# Altium PCB PLD.PcbDoc (part 4 of 5) (continued)
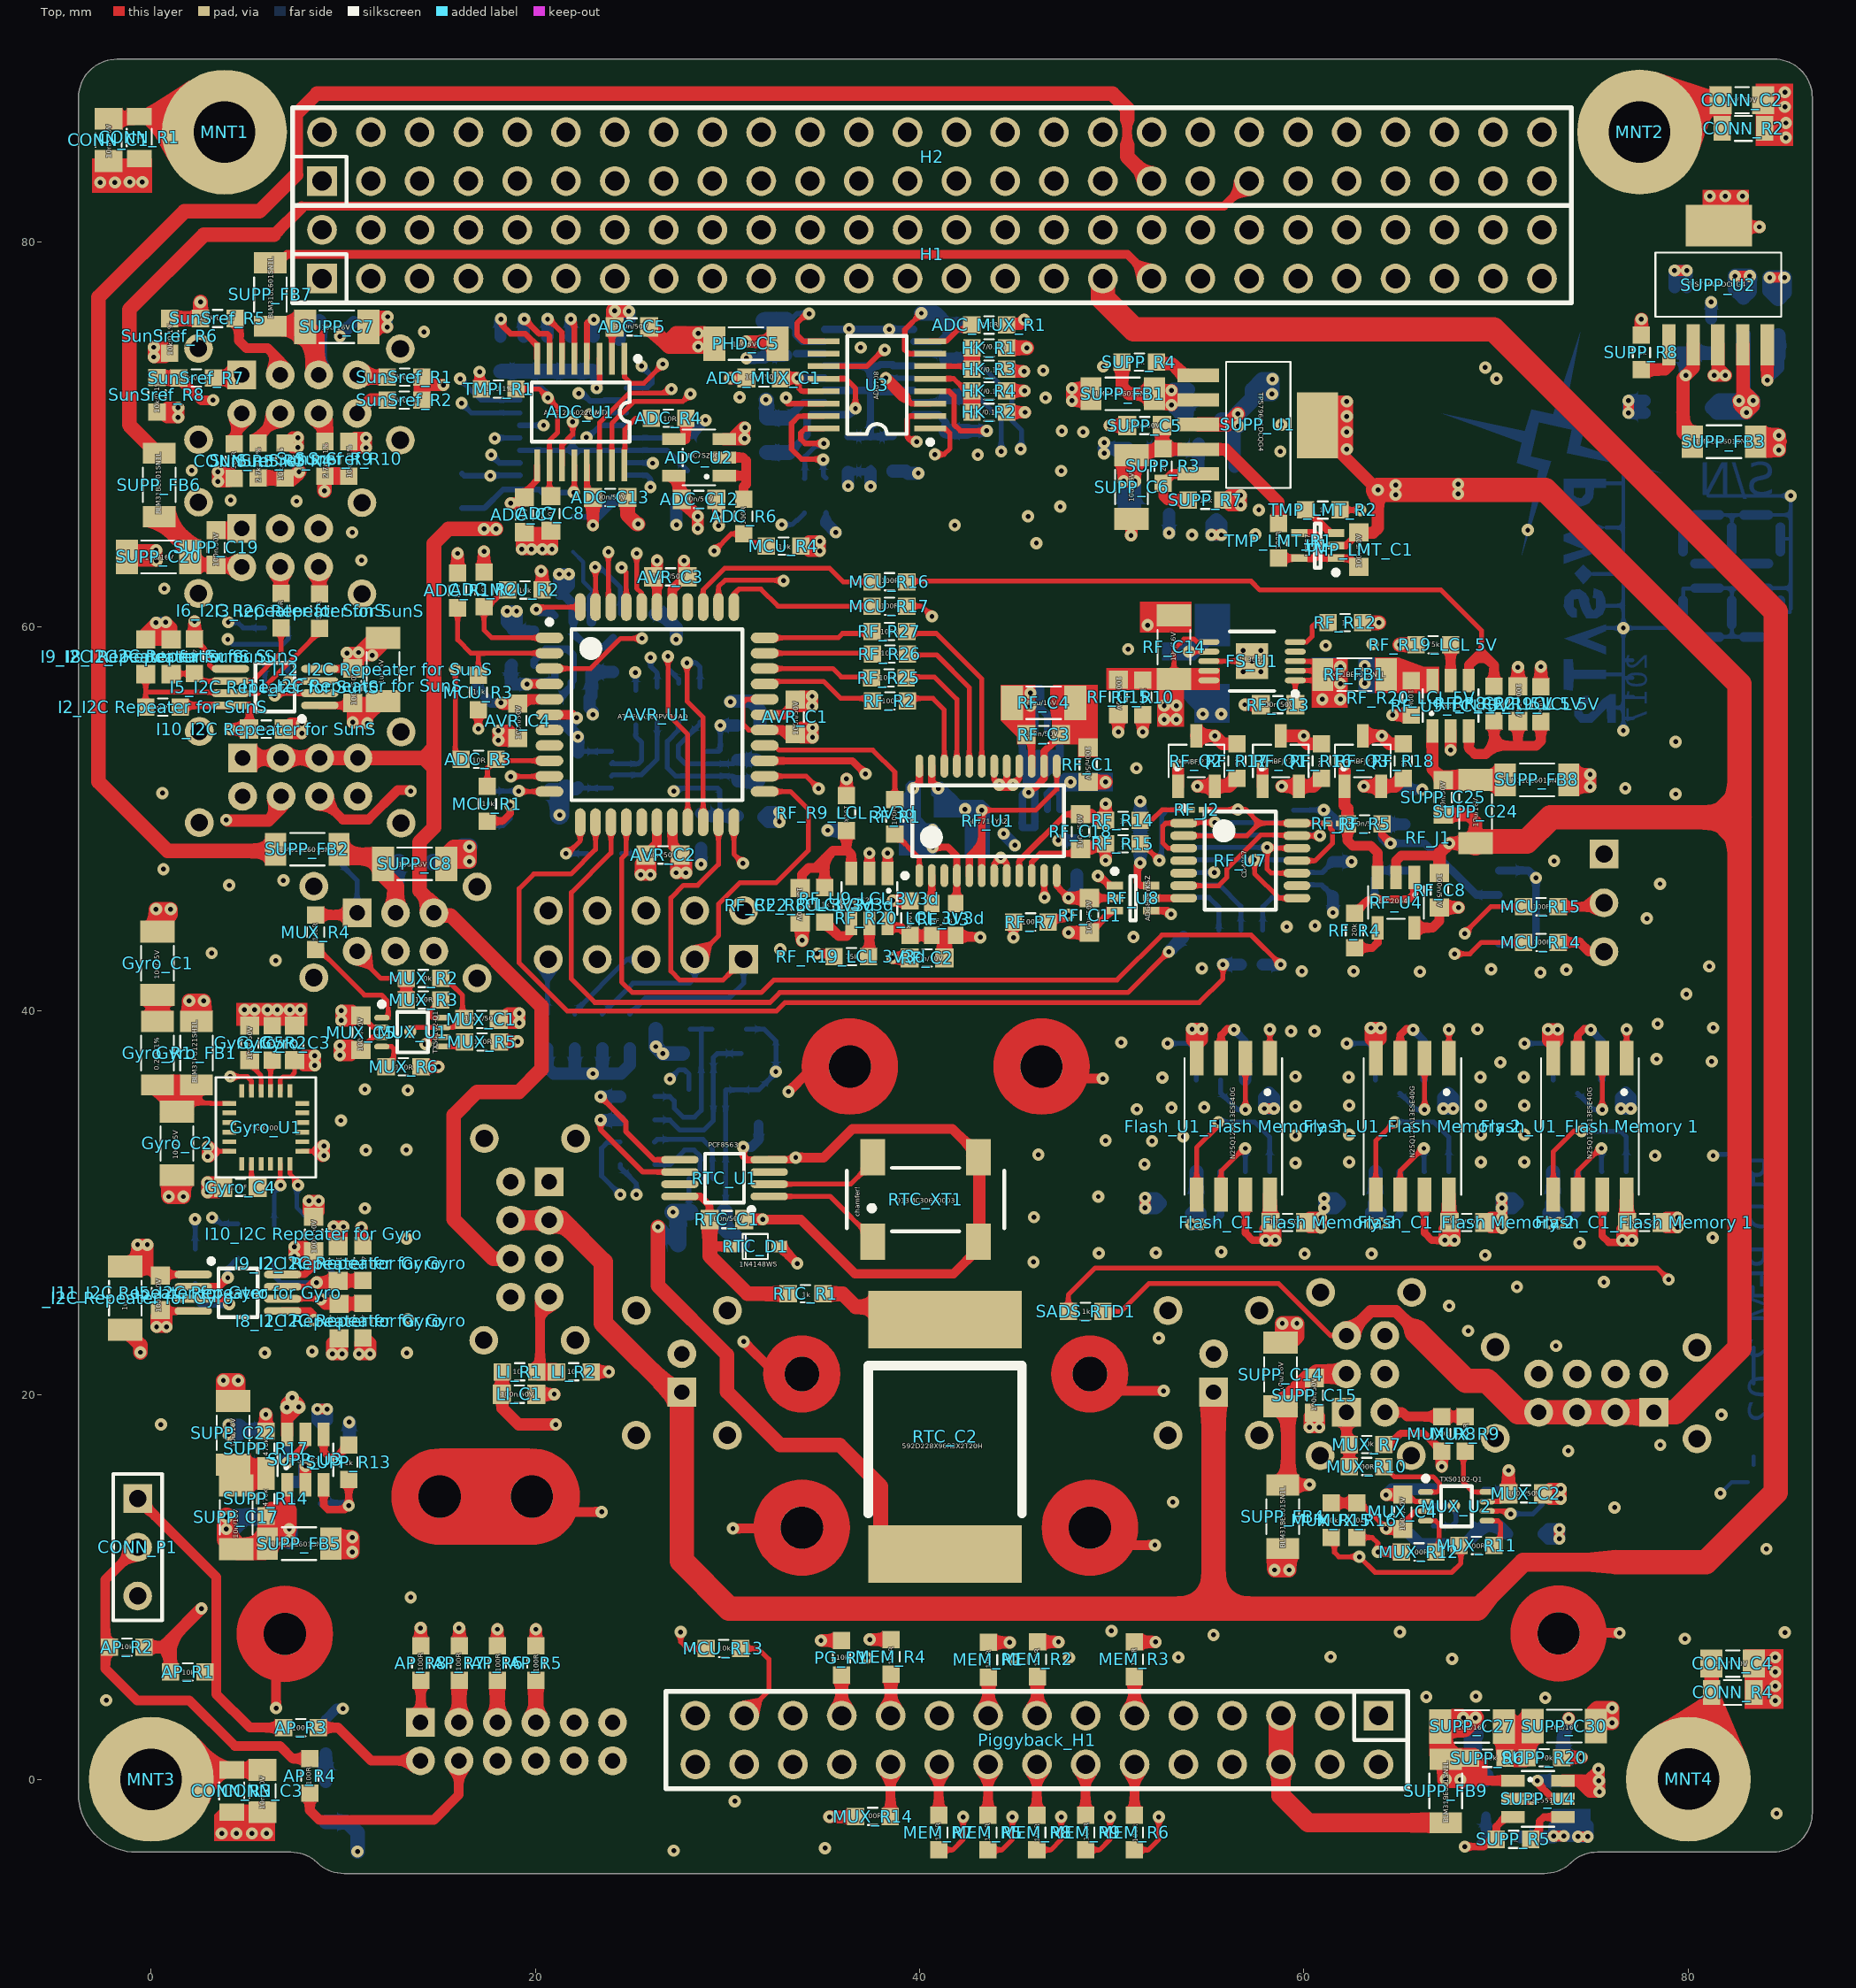
[diagram p0: Top view]
## Nets (pads, with @x,y where several pads share a name; then routed paths per layer and width w, separated by ;. In a path a pad name is that pad's centre, name@x,y a point inside that pad or via, vN(x,y) a via of type N, cw(c..) or ccw(c..) an arc to the next point about the centre after c; other vN are vias at no path point) (continued)
  Bottom w0.5: SUPP_C32.2@69.479,-2.997 SUPP_R1.2@69.479,-1.93
NetSUPP_R3_2: SUPP_R3.2 SUPP_R7.1 SUPP_U1.5 | length 4.1
  Top w0.508: SUPP_R7.1@53.985,66.574 52.879,66.574 52.676,66.777 SUPP_R3.2@52.676,67.452 53.17,67.946 SUPP_U1.5@54.501,67.946
NetSUPP_R4_2: SUPP_R4.2 SUPP_U1.1 | length 2.4
  Top w0.66: SUPP_R4.2@52.331,73.686 53.133,73.686 53.747,73.071 SUPP_U1.1@54.501,73.071
NetSUPP_R5_1: SUPP_R5.1 SUPP_U4.4 | length 2.4
  Top w0.381: SUPP_R5.1@71.813,-3.124 72.259,-2.677 72.259,-2.184 72.477,-1.965 SUPP_U4.4@73.493,-1.965
NetSUPP_R8_2: SUPP_R8.2 SUPP_U2.1 | length 2.6
  Top w0.635: SUPP_R8.2@77.568,73.37 77.579,73.381 78.787,73.381 78.995,73.589 SUPP_U2.1@78.995,74.668
NetSUPP_R10_2: SUPP_R10.2 SUPP_R11.1 SUPP_U2.5 | length 5.5
  Top w0.635: v1(84.121,72.822) SUPP_U2.5@84.12,74.668
  Bottom w0.635: v1(84.121,72.822) 84.121,72.924 84.68,73.483 SUPP_R11.1@84.68,75.148
  Bottom w0.762: SUPP_R11.1@84.68,75.148 84.691,75.137 SUPP_R10.2@84.691,74.067
NetSUPP_R13_1: SUPP_R13.1 SUPP_U3.4 | length 2.6
  Top w0.381: SUPP_U3.4@8.975,17.947 8.975,17.057 9.267,16.765 9.637,16.765 SUPP_R13.1@10.283,17.411
NetSUPP_R16_1: SUPP_R16.1 SUPP_U3.5 | length 2.7
  Top w0.381: v1(7.085,16.485) 7.089,16.485 8.025,17.421 SUPP_U3.5@8.025,17.947
  Bottom w0.508: v1(7.085,16.485) SUPP_R16.1@7.085,17.283
NetSUPP_R19_1: SUPP_R19.1 SUPP_U4.5 | length 3.1
  Top w0.381: v1(72.157,-0.076) 72.035,-0.076 72.03,-0.08 72.966,-1.015 SUPP_U4.5@73.493,-1.015
  Bottom w0.381: SUPP_R19.1@73.286,-0.076 SUPP_R19.1@73.3,-0.09
  Bottom w0.635: v1(72.157,-0.076) SUPP_R19.1@73.286,-0.076
NetTMP_LMT_C1_1: TMP_LMT_C1.1 TMP_LMT_R1.1 U1.1 U1.4 U1.5 | length 6.5
  Top w0.381: TMP_LMT_R1.1@58.67,63.566 58.674,63.562 U1.5@59.763,63.562 59.773,63.551 60.575,63.551 60.753,63.729 ; U1.4@59.763,64.862 60.535,64.862 60.753,64.644 60.753,63.729 ; TMP_LMT_C1.1@62.861,63.109 62.408,63.562 U1.1@61.663,63.562 60.92,63.562 60.753,63.729
NetTMP_LMT_R2_1: TMP_LMT_R2.1 U1.3 | length 2.1
  Top w0.381: TMP_LMT_R2.1@60.081,66.066 60.169,66.066 61.373,64.862 U1.3@61.663,64.862
OBC_BUS_3V3: "Flash_C1_Flash Memory 1.2" "Flash_C1_Flash Memory 2.2" "Flash_C1_Flash Memory 3.2" "Flash_U1_Flash Memory 1.3" "Flash_U1_Flash Memory 1.7" "Flash_U1_Flash Memory 1.8" "Flash_U1_Flash Memory 2.3" "Flash_U1_Flash Memory 2.7" "Flash_U1_Flash Memory 2.8" "Flash_U1_Flash Memory 3.3" "Flash_U1_Flash Memory 3.7" "Flash_U1_Flash Memory 3.8" "FRAM_C1_FRAM Memory 1.2" "FRAM_C1_FRAM Memory 2.2" "FRAM_C1_FRAM Memory 3.2" "I1_I2C Repeater for RTC.1" "I2_I2C Repeater for RTC.1" "I5_I2C Repeater for RTC.1" "I5_I2C Repeater for RTC.5" "I5_I2C Repeater for RTC.8" "I10_I2C Repeater for RTC.2" "I11_I2C Repeater for RTC.2" "I12_I2C Repeater for RTC.2" "U4_FRAM Memory 1.3" "U4_FRAM Memory 1.7" "U4_FRAM Memory 1.8" "U4_FRAM Memory 2.3" "U4_FRAM Memory 2.7" "U4_FRAM Memory 2.8" "U4_FRAM Memory 3.3" "U4_FRAM Memory 3.7" "U4_FRAM Memory 3.8" AP_R1.2 AP_R2.2 HK_R2.1 LI_R2.1 RTC_D1.A SUPP_C26.2 SUPP_U4.6 | length 191.6
  Top w0.381: 55.688,37.54 55.688,38.744 56.007,39.064 v1@56.312,39.064 ; 56.958,30.428 56.958,28.435 57.337,28.057 v1(58.005,28.057) ; 65.009,37.54 65.009,38.744 65.329,39.064 65.634,39.064 v1(65.684,39.013) ; 66.279,30.428 66.279,28.435 66.658,28.057 v1(67.327,28.057) ; 74.255,37.54 74.255,38.744 74.574,39.064 v1@74.879,39.064 ; 75.525,30.428 75.525,28.283 75.855,27.953 v1@76.824,27.953
  Top w0.508: RTC_D1.A@32.691,27.737 32.737,27.737 v1(33.626,26.848)
  Top w0.635: AP_R2.2@-0.374,6.884 0.606,6.884 ; AP_R1.2@1.001,5.589 1.001,6.489 ; v1(2.612,8.891) 1.001,7.279 ; LI_R2.1@22.892,21.21 v1(23.821,21.21) ; HK_R2.1@44.517,71.153 v1(45.481,71.153) ; SUPP_U4.6@73.493,-0.065 74.306,-0.065 ; v1@75.332,-0.015 75.332,0.458 74.809,-0.065 ; 0.606,6.884 1.001,6.489 ; 0.606,6.884 1.001,7.279 ; 1.001,6.489 1.001,7.279 ; 74.306,-0.065 74.809,-0.065 ; 74.306,-0.065 74.885,-0.645 v1(75.383,-0.645) 75.358,-0.619 v1(75.358,-0.065) 74.809,-0.065 ; v1(58.005,28.057) 58.509,28.057 58.509,28.628 58.257,28.88 58.005,28.628 v1(58.005,28.057) ; v1(67.327,28.057) 67.83,28.057 67.83,28.628 67.578,28.88 67.327,28.628 v1(67.327,28.057) ; v1(76.572,28.057) 77.076,28.057 77.076,28.628 76.824,28.88 76.572,28.628 v1(76.572,28.057)
  Top w0.711: 58.228,29.009 58.228,30.428 ; 67.549,30.428 67.549,29.009 67.578,28.98 ; 76.795,30.428 76.795,29.009 76.824,28.98
  Power w0.254: v1(73.66,42.139) 73.66,40.283 v1(74.93,39.013)
  Power w0.635: v1(23.821,21.21) 26.006,21.21
  Power w1.651: v1@75.383,-0.431 75.383,0.051 77.999,2.668 77.999,6.948
  Signal Layer 1 w0.254: v1(2.612,8.891) 2.612,18.619 4.099,20.106 4.785,20.106 5.483,20.803 23.415,20.803 v1(23.821,21.21) ; v1(45.481,71.153) 46.42,71.153 46.723,70.851 49.356,70.851 49.613,71.108 52.611,71.108 55.316,68.403 64.791,68.403 74.062,59.132 74.062,43.358 73.66,42.956 v1(73.66,42.139)
  Bottom w0.254: v1(26.996,36.45) 27.479,36.932 27.758,36.932 27.993,36.698 27.993,35.912 ; 29.845,29.523 29.898,29.576 29.898,31.262 29.898,35.856 29.926,35.884 31.623,35.884 32.512,36.773 v1(32.512,36.83) 32.512,37.778 32.512,38.426 31.891,39.048 30.988,39.048
  Bottom w0.381: v1@54.356,29.005 54.629,29.005 55.296,29.005 55.673,29.382 55.673,31.624 ; v1(56.363,39.013) 56.936,38.439 56.936,36.409 ; v1@63.678,29.003 63.998,29.003 64.565,29.003 64.995,29.434 64.995,31.621 ; v1(65.684,39.013) 66.258,38.439 66.258,36.409 66.265,36.401 ; v1@72.923,29.005 73.244,29.005 73.787,29.005 74.24,29.459 74.24,31.624 ; v1(74.93,39.013) 75.504,38.439 75.504,36.409
  Bottom w0.635: 54.356,31.577 54.403,31.624 ; 56.943,36.404 56.943,37.972 ; SUPP_C26.2@74.545,-0.115 74.61,-0.05 74.625,-0.065 v1(75.358,-0.065) ; v1(54.126,28.895) 54.629,28.895 54.629,29.005 54.629,29.467 54.377,29.719 54.126,29.467 v1(54.126,28.895) ; v1(63.495,28.94) 63.998,28.94 63.998,29.003 63.998,29.511 63.747,29.763 63.678,29.695 63.495,29.511 v1(63.495,28.94) ; v1(72.74,28.942) 73.244,28.942 73.244,29.005 73.244,29.514 72.992,29.765 72.923,29.697 72.74,29.514 v1(72.74,28.942)
  Bottom w0.737: 54.403,30.032 54.403,31.624 ; v1@63.678,29.003 63.678,29.695 63.678,29.983 ; 63.725,30.03 63.725,31.621 ; v1@72.923,29.005 72.923,29.697 72.923,29.985 ; 72.97,30.032 72.97,31.624
  Bottom w0.889: 29.845,29.523 29.845,28.749 30.722,27.872
  other v1: 75.332,0.534 58.512,28.061 67.834,28.057 77.084,28.057 54.631,28.895 64.004,28.94 73.264,28.942
OBC_PLD_3V3: "I1_I2C Repeater for Gyro.1" "I2_I2C Repeater for Gyro.1" "I5_I2C Repeater for Gyro.1" "I5_I2C Repeater for Gyro.5" "I5_I2C Repeater for Gyro.8" "I5_I2C Repeater for PLD.1" "I5_I2C Repeater for SunS.1" "I10_I2C Repeater for Gyro.2" "I11_I2C Repeater for Gyro.2" "I11_I2C Repeater for PLD.2" "I11_I2C Repeater for SunS.2" "I12_I2C Repeater for Gyro.2" "I12_I2C Repeater for PLD.2" "I12_I2C Repeater for SunS.2" Gyro_C3.1 Gyro_FB1.1 Gyro_U1.8 MUX_C3.1 MUX_C4.1 MUX_C5.1 MUX_R15.2 MUX_R16.2 MUX_U1.3 MUX_U2.3 MUX_U3.5 SUPP_C16.2 SUPP_U3.6 | length 125.2
  Top w0.229: Gyro_U1.8@6.715,35.835 6.715,36.438 6.854,36.577 7.26,36.577 7.463,36.78 Gyro_C3.1@7.463,37.529
  Top w0.254: 10.358,55.893 10.486,56.022 ; MUX_R16.2@62.759,14.388 62.952,14.388 v1(64.283,13.056)
  Top w0.279: MUX_C5.1@10.918,37.963 10.918,38.004 11.546,38.632 11.993,38.632 MUX_U1.3@12,38.639 ; MUX_C4.1@65.147,13.31 65.797,13.96 MUX_U2.3@66.341,13.96
  Top w0.381: -1.096,26.695 -0.843,26.442 0.261,26.442 0.479,26.224 0.531,26.277 2.192,26.277 ; 6.842,24.372 8.264,24.372 8.48,24.156 v1(8.48,23.902) ; 6.842,26.277 7.984,26.277 8.454,26.747 ; 8.773,55.893 10.358,55.893
  Top w0.508: MUX_R15.2@61.591,14.388 MUX_R16.2@62.759,14.388
  Top w0.635: -1.096,26.695 -0.626,27.165 ; -0.461,27.001 -0.626,27.165 ; -0.461,27.33 -0.626,27.165 ; -0.209,26.696 -0.209,27.824 v1(-0.713,27.824) -0.713,27.253 -0.626,27.165 ; v2@7.057,19.305 v2(7.057,19.355) ; SUPP_U3.6@7.075,17.947 7.075,18.771 ; 8.454,26.747 8.454,27.483 ; 10.92,27.989 10.943,28.013 v1(10.943,28.728) ; 12.061,56.11 11.973,56.022 ; v1(64.283,13.056) MUX_C4.1@64.741,13.056 ; v2(7.057,19.355) 7.337,19.635 v2(7.337,19.863) ; v2(7.057,19.355) 7.075,19.338 7.075,18.771 ; v2(7.057,19.355) 7.057,19.584 v2(7.337,19.863) ; 7.075,18.771 v2(7.676,19.372) 7.676,19.524 v2(7.337,19.863) ; 10.486,56.022 11.973,56.022 ; 10.486,56.022 v1(10.486,55.017) 11.197,55.017 v1(11.248,54.966) v1@11.248,55.26 ; 10.486,56.022 v1@11.248,55.26 ; v1@11.248,55.26 11.248,55.297 11.973,56.022 ; v1(7.453,27.206) 7.453,27.71 8.025,27.71 8.276,27.458 8.025,27.206 v1(7.453,27.206) ; Gyro_C3.1@7.692,37.415 7.944,37.163 v1(8.515,37.163) 8.515,37.667 7.944,37.667 Gyro_C3.1@7.692,37.415 ; v1(9.815,37.685) 9.815,38.189 10.387,38.189 10.639,37.937 10.387,37.685 v1(9.815,37.685) ; v1@10.895,22.139 v1(11.384,22.139) 11.398,22.139 11.398,22.71 11.147,22.962 10.895,22.71 v1@10.895,22.139
  Top w0.762: Gyro_FB1.1@1.977,39.725 v1(1.977,40.514) v1(2.739,40.514) 2.739,39.827 Gyro_FB1.1@2.358,39.446 2.307,39.395 Gyro_FB1.1@1.977,39.725
  Power w0.889: 15.033,49.581 20.497,49.581 21.107,50.191 v1(21.256,50.191)
  Power w1.016: v2(7.057,19.355) 7.21,19.355 8.162,20.308 12.76,20.308 16.214,16.854 22.564,16.854 23.669,15.749 58.434,15.749 59.87,14.314 63.026,14.314 v1(64.283,13.056)
  Bottom w0.254: 22.221,51.641 22.274,51.588 23.96,51.588
  Bottom w0.635: v2(7.057,19.355) 7.099,19.313 SUPP_C16.2@7.099,18.441 ; 20.751,51.54 21.256,51.54 ; 21.589,51.54 22.12,51.54 22.221,51.641 ; v1(64.283,13.056) 65.218,13.056 66.031,12.243 68.398,12.243 MUX_U3.5@69.353,13.198 70.15,13.198 MUX_C3.1@70.572,12.777
  Bottom w1: v1(21.256,50.191) 21.256,51.207 21.589,51.54
  other v1: 10.814,22.139 7.453,27.721 -0.206,27.824 8.515,37.669 9.815,38.191
OBC_STATUS_LED: OBC_R1.2 Piggyback_H1.19 | length 34.5
  Power w0.508: v1(9.973,3.684) 10.008,3.684 11.786,5.462 40.077,5.462 41.024,4.515 Piggyback_H1.19@41.024,3.316
  Bottom w0.508: OBC_R1.2@9.084,3.118 9.65,3.684 v1(9.973,3.684)
OUT_A: PHD_C1.2 PHD_R3.2 PHD_U1.1 U3.12 | length 9.2
  Top w0.279: U3.12@35,72.9 36.154,72.9 36.657,72.397 v1(36.657,71.356)
  Bottom w0.305: PHD_C1.2@33.193,69.048 33.2,69.041 PHD_C1.2@33.298,68.943
  Bottom w0.381: PHD_C1.2@33.152,68.993 33.2,69.041 34.137,69.978 34.137,70.812 34.353,71.028 PHD_U1.1@35.044,71.028 36.329,71.028 v1(36.657,71.356)
  Bottom w0.762: PHD_R3.2@32.029,69.073 32.054,69.048 PHD_C1.2@33.193,69.048
OUT_B: PHD_C2.2 PHD_R2.2 PHD_U1.10 U3.7 | length 8.8
  Top w0.279: v1(40.086,76.309) 39.222,75.445 39.222,74.404 39.426,74.2 U3.7@40.55,74.2
  Bottom w0.381: PHD_U1.10@39.694,74.838 41.054,74.838 41.406,75.19 PHD_C2.2@41.406,75.674
  Bottom w0.762: v1(40.086,76.309) 40.822,76.309 PHD_C2.2@41.431,75.699 ; PHD_C2.2@41.406,75.674 PHD_C2.2@41.431,75.699 ; PHD_R2.2@42.569,75.699 PHD_C2.2@41.431,75.699
OUT_C: PHD_C3.2 PHD_R4.2 PHD_U1.7 U3.9 | length 7.8
  Top w0.279: v1(34.244,76.284) 34.092,76.284 33.609,75.801 33.609,75.191 33.95,74.85 U3.9@35,74.85
  Bottom w0.279: PHD_C3.2@33.19,75.867 33.607,76.284 v1(34.244,76.284)
  Bottom w0.381: PHD_C3.2@33.19,75.867 33.548,75.509 33.548,75.18 33.891,74.838 PHD_U1.7@35.044,74.838
  Bottom w0.889: PHD_R4.2@31.907,75.914 33.039,75.914 PHD_C3.2@33.053,75.928
OUT_D: PHD_C4.2 PHD_R1.2 PHD_U1.16 U3.4 | length 9.1
  Top w0.279: U3.4@40.55,72.25 41.529,72.25 41.788,71.991 41.788,70.518 42.118,70.188 v1(43.49,70.188)
  Bottom w0.381: PHD_U1.16@39.694,71.028 40.978,71.028 41.356,70.649 PHD_R1.2@41.356,70.166
  Bottom w0.635: PHD_C4.2@42.519,70.166 42.541,70.188 v1(43.49,70.188)
  Bottom w0.762: PHD_R1.2@41.356,70.166 PHD_C4.2@42.519,70.166
PC-104_EPS_Kill-Switch_Pri: CONN_H7.12 H1.9 | length 124.3
  GND w0.5: 7.112,79.426 7.116,79.421 17.739,79.421 H1.9@19.051,78.11
  GND w1: 7.112,79.426 2.434,79.426 -2.786,74.206 -2.786,8.044 7.645,-2.388 22.581,-2.388 24.014,-0.954 CONN_H7.12@24.014,0.967
PC-104_EPS_Kill-Switch_Sec: CONN_H7.6 H1.11 | length 132.2
  Power w0.5: 7.112,79.426 7.116,79.421 20.279,79.421 H1.11@21.591,78.11
  Power w1: 7.112,79.426 2.184,79.426 -2.692,74.549 -2.692,8.865 8.28,-2.108 25.248,-2.108 26.187,-1.168 26.187,2.184 25.405,2.967 CONN_H7.6@24.014,2.967
PC-104_EPS_MPPT_X: CONN_H7.10 H1.13 | length 120.3
  Signal Layer 1 w0.508: 7.087,79.417 22.823,79.417 H1.13@24.131,78.11
  Signal Layer 1 w0.762: 7.087,79.417 2.425,79.417 1.13,78.122 1.13,73.702 -0.652,71.921 -0.652,29.604 1.711,27.242 1.711,6.287 8.911,-0.914 19.228,-0.914 20.014,-0.128 CONN_H7.10@20.014,0.967
PC-104_EPS_MPPT_Y+: CONN_H7.11 H1.15 | length 132.4
  Signal Layer 1 w0.508: 7.235,81.23 7.728,81.23 8.38,81.882 24.643,81.882 25.438,81.086 25.438,79.342 H1.15@26.671,78.11
  Signal Layer 1 w0.762: 7.235,81.23 1.368,81.23 -1.617,78.245 -1.617,18.962 0.625,16.72 0.625,5.645 8.149,-1.879 20.625,-1.879 22.014,-0.49 CONN_H7.11@22.014,0.967
PC-104_EPS_MPPT_Y-: CONN_H7.5 H1.17 | length 156.9
  Signal Layer 1 w0.508: 7.582,84.422 27.386,84.422 27.903,83.905 27.903,79.417 H1.17@29.211,78.11
  Signal Layer 1 w0.762: 7.582,84.422 6.088,82.928 1.491,82.928 -2.646,78.791 -2.646,7.265 7.464,-2.844 25.04,-2.844 26.361,-1.523 26.361,4.297 25.476,5.182 22.911,5.182 22.014,4.285 CONN_H7.5@22.014,2.967
PC-104_I2C-BUS-SCL: AP_R5.2 H1.43 | length 178.9
  Top w0.635: AP_R5.2@20.021,6.956 v1(20.021,7.814)
  Signal2 w0.254: v1@20.039,7.796 16.688,4.446 1.458,4.446 -2.747,8.65 -2.747,77.669 1.55,81.966 5.896,81.966 6.93,83.001 6.93,86.488 9.031,88.589 62.284,88.589 63.445,87.427 63.445,79.324 H1.43@62.231,78.11
PC-104_I2C-BUS-SDA: AP_R6.2 H1.41 | length 171.7
  Top w0.635: AP_R6.2@18.015,6.956 v1(18.015,7.814)
  Signal2 w0.254: v1(18.015,7.814) 15.104,4.903 1.647,4.903 -2.29,8.84 -2.29,77.263 1.956,81.509 6.085,81.509 7.431,82.855 7.431,86.342 9.177,88.088 59.432,88.088 60.829,86.691 60.829,79.248 H1.41@59.691,78.11
PC-104_I2C-PAYLOAD_SCL: "I4_I2C Repeater for Gyro.2" "I4_I2C Repeater for PLD.2" "I4_I2C Repeater for RTC.2" "I4_I2C Repeater for SunS.2" AP_R7.2 H1.21 | length 185.7
  Top w0.635: v1(16.023,7.875) 16.034,7.864 AP_R7.2@16.034,6.956
  Signal2 w0.254: v1(3.171,29.236) 5.254,27.153 5.254,13.412 9.979,8.687 15.211,8.687 v1(16.023,7.875) ; v1(24.418,30.43) 24.418,29.655 24.685,29.388 25.752,29.388 27.936,31.573 27.936,38.511 26.641,39.806 26.641,41.601 26.977,41.938 26.977,46.022 26.641,46.359 26.641,50.521 25.993,51.169 v1(25.993,58.383) 23.555,58.383 22.831,57.659 17.522,57.659 16.481,56.617 15.236,56.617 11.629,60.224 v1(4.009,60.224) 4.009,61.85 2.968,62.891 0.657,62.891 0.543,62.777 -0.207,62.777 -0.664,63.234 -0.664,76.455 2.282,79.401 32.999,79.401 H1.21@34.291,78.11
  Signal Layer 1 w0.254: v1(3.171,29.236) 3.171,24.629 4.787,23.013 15.948,23.013 16.888,23.953 21.103,23.953 24.418,27.268 v1(24.418,30.43)
  Bottom w0.254: v1(3.171,29.236) 3.171,29.377 3.632,28.917 4.492,28.917 ; v1(4.009,60.224) 4.492,60.224 4.786,59.93 5.914,59.93 ; 24.394,33.173 23.77,33.173 23.44,32.843 23.44,31.408 v1(24.418,30.43) ; v1(25.993,58.383) 25.993,57.925 26.336,57.582 26.336,56.831
PC-104_I2C-PAYLOAD_SDA: "I7_I2C Repeater for Gyro.2" "I7_I2C Repeater for PLD.2" "I7_I2C Repeater for RTC.2" "I7_I2C Repeater for SunS.2" AP_R8.2 H1.23 | length 191.9
  Top w0.635: v1(14.017,7.875) 14.027,7.864 AP_R8.2@14.027,6.956
  Signal2 w0.254: v1(2.282,29.16) 2.282,12.929 5.381,9.83 7.518,9.83 9.474,7.875 v1(14.017,7.875) ; v1(25.193,57.608) 23.821,56.236 ; v1(25.256,30.43) 26.056,31.23 26.056,35.256 24.671,36.641 24.671,55.461 23.896,56.236 23.821,56.236 ; H1.23@36.831,78.11 35.581,79.359 35.581,81.433 35.133,81.882 7.912,81.882 6.625,80.595 2.79,80.595 -1.122,76.683 -1.122,59.694 -0.763,59.335 v1(3.984,59.335) 11.709,59.335 15.658,55.385 18.652,55.385 19.503,56.236 23.821,56.236
  Signal Layer 1 w0.254: v1(2.282,29.16) 2.422,29.02 2.422,23.534 4.479,21.476 22.217,21.476 23.694,22.954 23.694,25.172 25.256,26.734 v1(25.256,30.43)
  Bottom w0.254: 2.282,27.596 v1(2.282,29.16) ; v1(3.984,59.335) 4.238,59.081 6.854,59.081 7.133,59.36 7.133,59.981 ; 24.42,32.005 24.42,31.838 25.256,31.001 v1(25.256,30.43) ; v1(25.193,57.608) 25.218,57.582 25.218,56.679
PC-104_LCL_SADSMAIN: CONN_H8.2 H1.39 | length 129
  Signal Layer 1 w0.762: CONN_H8.2@55.302,22.153 52.908,22.153 50.847,20.092 50.847,15.013 56.587,9.273 79.448,9.273 84.324,14.148 84.324,60.281 68.049,76.556 58.704,76.556 H1.39@57.151,78.11
PC-104_LCL_SADSRED: CONN_H9.2 H1.40 | length 164.7
  Signal Layer 1 w0.559: 59.038,79.38 73.043,79.38
  Signal Layer 1 w0.762: CONN_H9.2@27.616,22.153 29.3,22.153 31.492,19.961 31.492,8.789 34.946,5.335 80.819,5.335 85.416,9.932 85.416,60.554 74.812,71.159 74.812,78.372 73.805,79.38 73.043,79.38 ; H1.40@57.151,80.65 58.421,79.38 59.038,79.38
PC-104_LCL_SAILMAIN: CONN_H2.5 H1.37 | length 119
  Signal Layer 1 w0.762: CONN_H2.5@18.714,31.101 18.714,35.356 23.567,40.208 42.014,40.208 42.776,40.971 76.556,40.971 80.692,45.106 80.692,58.808 65.306,74.194 56.968,74.194 54.611,76.552 H1.37@54.611,78.11
PC-104_LCL_SAILRED: CONN_H2.1 H1.38 | length 121.3
  Signal Layer 1 w0.559: 55.851,78.792 55.851,78.665 55.868,78.648 55.868,77.371
  Signal Layer 1 w0.762: CONN_H2.1@20.714,31.101 20.714,35.991 23.941,39.218 42.388,39.218 43.176,40.006 77.064,40.006 81.657,44.598 81.657,59.589 65.934,75.312 57.928,75.312 55.868,77.371 ; H1.38@54.611,80.65 55.851,79.409 55.851,78.792
PC-104_SUPPLY_OBC+3V3: H2.27 H2.28 | length 2.5
  Signal Layer 1 w0.762: H2.27@41.91,83.19 H2.28@41.91,85.73
PG_OBC_3V3: PG_R1.2 Piggyback_H1.5 Piggyback_H1.6 SUPP_FB5.1 SUPP_FB9.1 | length 78.4
  Top w0.635: v1(34.859,7.225) PG_R1.2@35.937,7.225
  Top w0.762: SUPP_FB5.1@9.344,12.269 9.675,12.599 v1(10.463,12.599) v1(10.463,11.837) 9.776,11.837 SUPP_FB5.1@9.344,12.269
  Top w1: Piggyback_H1.6@58.804,0.776 58.804,-0.845 60.218,-2.259 SUPP_FB9.1@67.382,-2.259
  Top w1.27: Piggyback_H1.6@58.804,0.776 Piggyback_H1.5@58.804,3.316
  Power w0.635: 34.821,11.024 34.859,10.986 v1(34.859,7.225)
  Power w1.27: v1(10.463,12.599) v1(10.463,11.837) 11.276,11.024 34.821,11.024 53.971,11.024 58.804,6.191 Piggyback_H1.5@58.804,3.316 Piggyback_H1.6@58.804,0.776
PHD_VREF: PHD_C8.1 PHD_R5.1 PHD_R6.2 PHD_U1.3 PHD_U1.5 PHD_U1.12 PHD_U1.14 | length 15.6
  Bottom w0.381: PHD_U1.3@35.044,72.298 37.434,72.298 ; PHD_U1.5@35.044,73.568 37.434,73.568 ; PHD_R5.1@36.266,69.883 PHD_C8.1@37.434,69.883 ; PHD_C8.1@37.434,69.857 PHD_C8.1@37.434,69.883 ; PHD_R6.2@38.603,69.883 PHD_C8.1@37.434,69.883 ; PHD_U1.14@39.694,72.298 38.604,72.298 38.604,72.22 37.937,72.22 37.834,72.323 37.434,72.323 ; PHD_U1.12@39.694,73.568 38.601,73.568 38.601,73.642 37.937,73.642 37.863,73.568 37.434,73.568 ; PHD_C8.1@37.434,69.883 37.434,72.298 ; 37.434,72.298 37.434,72.323 ; 37.434,72.323 37.434,73.568
PIGGYBACK_ADC_PD4: LI_C1.2 LI_R1.2 Piggyback_H1.26 | length 30
  Top w0.635: LI_R1.2@18.273,21.21 18.273,20.016 18.273,19.316 19.122,18.466 v1(21.053,18.466)
  Top w0.889: LI_C1.2@18.248,20.041 18.273,20.016 LI_C1.2@18.298,19.99
  Signal Layer 1 w0.254: v1(21.053,18.466) 21.053,17.45 22.627,15.876 22.627,10.084 27.987,4.725 31.187,4.725 32.102,3.811 32.102,1.626 32.952,0.776 Piggyback_H1.26@33.404,0.776
PIGGYBACK_ADC_PD5: CONN_H10.3 Piggyback_H1.28 | length 88.3
  Signal2 w0.254: v1(0.58,51.334) 0.58,49.124 1.926,47.778 4.593,47.778 9.48,42.891 9.48,42.237 12.036,39.682 12.036,13.615 16.531,9.119 24.155,9.119 29.612,3.662 29.612,2.028 Piggyback_H1.28@30.864,0.776
  Signal Layer 1 w0.254: v1(0.58,51.334) 0.58,54.865 6.702,60.986 8.378,60.986 9.978,62.586 9.978,63.837 CONN_H10.3@8.714,65.101
PIGGYBACK_ADC_PD7: Piggyback_H1.25
PIGGYBACK_GPIO_PA8: MEM_R6.1 Piggyback_H1.12 | length 2.6
  Top w0.508: MEM_R6.1@51.177,-1.868 51.177,0.769 Piggyback_H1.12@51.184,0.776
PIGGYBACK_GPIO_PA9: MEM_R9.1 Piggyback_H1.14 | length 2.6
  Top w0.508: MEM_R9.1@48.637,-1.868 48.637,0.769 Piggyback_H1.14@48.644,0.776
PIGGYBACK_GPIO_PA10: MEM_R8.1 Piggyback_H1.16 | length 2.6
  Top w0.508: MEM_R8.1@46.097,-1.868 46.097,0.769 Piggyback_H1.16@46.104,0.776
PIGGYBACK_GPIO_PA11: MEM_R5.1 Piggyback_H1.18 | length 2.6
  Top w0.508: MEM_R5.1@43.557,-1.868 43.557,0.769 Piggyback_H1.18@43.564,0.776
PIGGYBACK_GPIO_PA12: MEM_R7.1 Piggyback_H1.20 | length 2.7
  Top w0.508: MEM_R7.1@40.992,-1.868 40.992,0.744 Piggyback_H1.20@41.024,0.776
PIGGYBACK_GPIO_PA13: MEM_R4.1 Piggyback_H1.21 | length 2.2
  Top w0.635: Piggyback_H1.21@38.484,3.316 38.502,3.334 MEM_R4.1@38.502,5.476
PIGGYBACK_GPIO_PB12: MUX_R14.2 Piggyback_H1.22 | length 2.7
  Top w0.508: MUX_R14.2@38.415,-1.904 38.484,-1.836 Piggyback_H1.22@38.484,0.776
PIGGYBACK_GPIO_PE0: Piggyback_H1.24
PIGGYBACK_SPI-CLK_PE5: MEM_R3.1 Piggyback_H1.11 | length 2
  Top w0.635: MEM_R3.1@51.177,5.349 51.177,3.323 Piggyback_H1.11@51.184,3.316
PIGGYBACK_SPI-CS_PE4: Piggyback_H1.13
PIGGYBACK_SPI-MISO_PE6: MEM_R1.1 Piggyback_H1.17 | length 2
  Top w0.635: Piggyback_H1.17@43.564,3.316 43.582,3.334 MEM_R1.1@43.582,5.324
PIGGYBACK_SPI-MOSI_PE7: MEM_R2.1 Piggyback_H1.15 | length 2
  Top w0.635: Piggyback_H1.15@46.104,3.316 46.122,3.334 MEM_R2.1@46.122,5.349
PIGGYBACK_UART-RX_PF7: MUX_R6.1 MUX_R12.2 MUX_R16.1 Piggyback_H1.7 | length 93.8
  Top w0.254: MUX_R16.1@62.759,12.588 63.558,12.588 63.852,12.294 v1(63.852,11.837)
  Top w0.508: v1(63.852,11.837) MUX_R12.2@65.085,11.837
  Top w0.635: MUX_R6.1@14.129,37.085 v1(14.957,37.085)
  Signal2 w0.254: v1(14.957,37.085) 14.957,20.332 18.144,17.145 22.733,17.145 34.509,5.369 34.509,-0.209 37.703,-3.403 55.398,-3.403 57.502,-1.299 57.502,2.078 Piggyback_H1.7@56.264,3.316 63.852,10.904 v1(63.852,11.837)
PIGGYBACK_UART-TX_PF6: MUX_R5.1 MUX_R11.2 MUX_R15.1 Piggyback_H1.9 | length 99.1
  Top w0.254: MUX_R15.1@61.591,12.588 61.591,11.812 61.82,11.583 v1(62.886,11.583) 63.7,10.77 67.686,10.77 68.17,11.253 MUX_R11.2@68.17,12.04
  Top w0.635: MUX_R5.1@17.979,38.405 v1(19.071,38.405)
  Signal2 w0.254: v1(19.071,38.405) 15.621,34.955 15.621,21.098 18.9,17.819 23.004,17.819 37.156,3.667 37.156,-1.215 38.76,-2.819 53.463,-2.819 54.962,-1.32 54.962,2.078 Piggyback_H1.9@53.724,3.316 61.991,11.583 v1(62.886,11.583)
PT1000_SADS: SADS_RTD1.2 TMP_IF_U1.9 | length 136.7
  Top w0.254: SADS_RTD1.2@47.661,24.029 SADS_RTD1.2@47.824,24.192 ; SADS_RTD1.2@47.737,24.192 SADS_RTD1.2@47.737,24.359 47.737,25.212 49.145,26.62 78.38,26.62 v1(78.99,26.01)
  Signal2 w0.254: v1(45.64,65.736) 49.12,62.256 78.05,62.256 83.816,56.49 83.816,26.851 82.976,26.01 v1(78.99,26.01)
  Signal Layer 1 w0.254: v1(25.523,73.559) 25.523,72.364 29.845,68.041 37.931,68.041 38.788,67.184 44.192,67.184 v1(45.64,65.736)
  Bottom w0.279: TMP_IF_U1.9@24.739,72.424 25.81,72.424 26.056,72.67 26.056,73.026 v1(25.523,73.559)
PT1000_SAIL: CONN_H2.8 TMP_IF_U1.4 | length 53.1
  Signal Layer 1 w0.279: v1(17.878,69.8) 17.395,69.8 16.912,69.317 16.912,68.076 14.804,65.968 14.804,56.414 15.998,55.22 15.998,50.775 16.531,50.242 16.957,50.242 18.208,48.991 18.208,37.313 15.465,34.57 15.465,25.909 16.272,25.101 CONN_H2.8@18.714,25.101
  Bottom w0.279: v1(17.878,69.8) 17.903,69.825 TMP_IF_U1.4@19.189,69.824 TMP_IF_U1.4@19.189,69.824
R\S\T\: AVR_C6.1 AVR_P1.6 AVR_U1.4 R1.2 RF_U10.6 | length 20.8
  Top w0.508: v1(19.554,56.998) 19.568,57.012 AVR_U1.4@20.728,57.012
  Signal Layer 1 w0.254: v1(19.554,56.998) 19.554,53.346 20.041,52.86 20.041,48.387 21.285,47.143 23.821,47.143 AVR_P1.6@25.752,45.213
  Bottom w0.381: v1(19.554,56.998) 19.676,57.12 20.713,57.12 20.799,57.206 21.017,57.206 RF_U10.6@21.017,57.608
  Bottom w0.635: AVR_C6.1@18.767,58.003 18.727,57.963 R1.2@18.727,57.024 18.752,56.998 v1(19.554,56.998)
RAD_3V3D: "RF_R20_LCL 3V3d.2" "RF_U9_LCL 3V3d.6" RF_C2.1 RF_C6.1 RF_C7.1 RF_U1.5 RF_U1.6 RF_U1.11 RF_U1.13 RF_U1.23 RF_U3.1 RF_U3.4 | length 33.6
  Top w0.254: v1@43.232,50.445 46.046,50.445 47.132,51.531 RF_U1.13@47.132,52.736
  Top w0.305: RF_U1.11@46.482,47.036 46.482,45.92 v1(46.503,45.898)
  Top w0.381: RF_U1.23@40.632,52.736 40.632,51.909 v1(40.966,51.575) ; RF_U1.5@42.582,47.036 42.582,48.034 43.232,48.684 ; RF_U1.6@43.232,47.036 43.232,48.684 ; v1@43.232,50.445 43.232,48.684
  Top w0.508: 38.335,44.538 38.523,44.349 38.985,44.349 39.409,43.925 RF_U3.4@40.621,43.925 RF_U3.1@41.871,43.925 41.946,43.85 43.125,43.85 v1(43.151,43.825)
  Top w0.762: 41.246,43.714 41.282,43.678 RF_C2.1@41.282,42.749
  Power w0.508: 43.125,45.873 43.1,45.898 43.151,45.898 ; v1(43.151,43.825) 43.151,45.898 ; v1(43.227,50.445) 43.125,50.343 43.151,50.318 43.151,45.898 ; v1(46.503,45.898) 43.151,45.898
  Bottom w0.762: 41.216,51.325 41.216,50.585 42.706,50.585 43.152,50.139 RF_C6.1@43.152,48.969
  other v1: 42.363,50.496
RAD_4V5A: FS_U1.6 FS_U1.9 FS_U1.10 RF_C1.1 RF_C5.1 RF_C8.1 RF_C10.1 RF_C11.1 RF_C14.1 RF_C15.1 RF_Q1.3 RF_Q2.3 RF_Q3.3 RF_R3.1 RF_R10.2 RF_R16.2 RF_R17.2 RF_R18.2 RF_U1.12 RF_U2.1 RF_U2.2 RF_U4.5 RF_U6.14 RF_U8.2 | length 27.8
  Top w0.254: RF_C14.1@53.234,57.279 53.234,58.826 53.754,59.345 54.29,59.345 54.438,59.197 FS_U1.6@55.051,59.197
  Top w0.305: RF_U1.12@47.132,47.036 47.132,46.489 v1(47.748,45.873)
  Top w0.381: RF_C11.1@48.84,45.873 48.849,45.864 RF_U8.2@50.151,45.864
  Top w0.508: RF_U4.5@65.742,44.327 66.7,44.327 67.052,44.679 RF_C8.1@67.052,45.379
  Top w0.66: v1(47.748,45.873) RF_C11.1@48.84,45.873 ; RF_Q2.3@54.403,54.309 v1(55.368,54.309) 55.778,53.899 RF_R17.2@56.511,53.899 ; RF_Q1.3@59.026,54.313 v1(59.991,54.313) 59.784,54.309 60.194,53.899 RF_R16.2@60.905,53.899 ; RF_Q3.3@63.293,54.309 v1@64.051,54.309 ; v1@64.053,54.308 64.461,53.899 RF_R18.2@65.172,53.899 ; RF_C8.1@67.052,45.379 v1(68.043,45.379)
  Top w0.762: RF_C1.1@48.764,51.907 v1(49.678,51.907)
  Bottom w0.254: RF_U6.14@59.464,47.202 60.953,47.202 RF_C10.1@61.515,47.764
  Bottom w0.381: RF_U2.2@46.645,50.477 46.645,51.196 47.356,51.907 v1(47.85,51.907) 47.295,51.352 RF_U2.1@47.295,50.477
  Bottom w0.508: RF_R3.1@65.172,51.508 v1(66.163,51.508)
  Bottom w0.61: RF_C10.1@61.515,47.764 v1(62.48,47.764)
  Bottom w0.66: v1(47.748,45.873) 48.18,46.305 RF_C5.1@48.18,47.081
  other v1: 64.055,54.309 52.726,55.169 53.361,55.169 52.726,55.881 53.361,55.881